# Altium PCB Goldstrike1_Rev01 2014 06 02.PcbDoc (part 5 of 5)
Units mm, origin at the board's own origin, x right, y up, seen from the top; angles counter-clockwise.
Board outline 110 x 255.5 mm, 4 copper layers (L1, L2, L3, L4), stack 1.577 mm thick; 676 components, 193 nets, 4482 pads, 1968 vias.
Unrouted connection lines stored in the file: 1747.
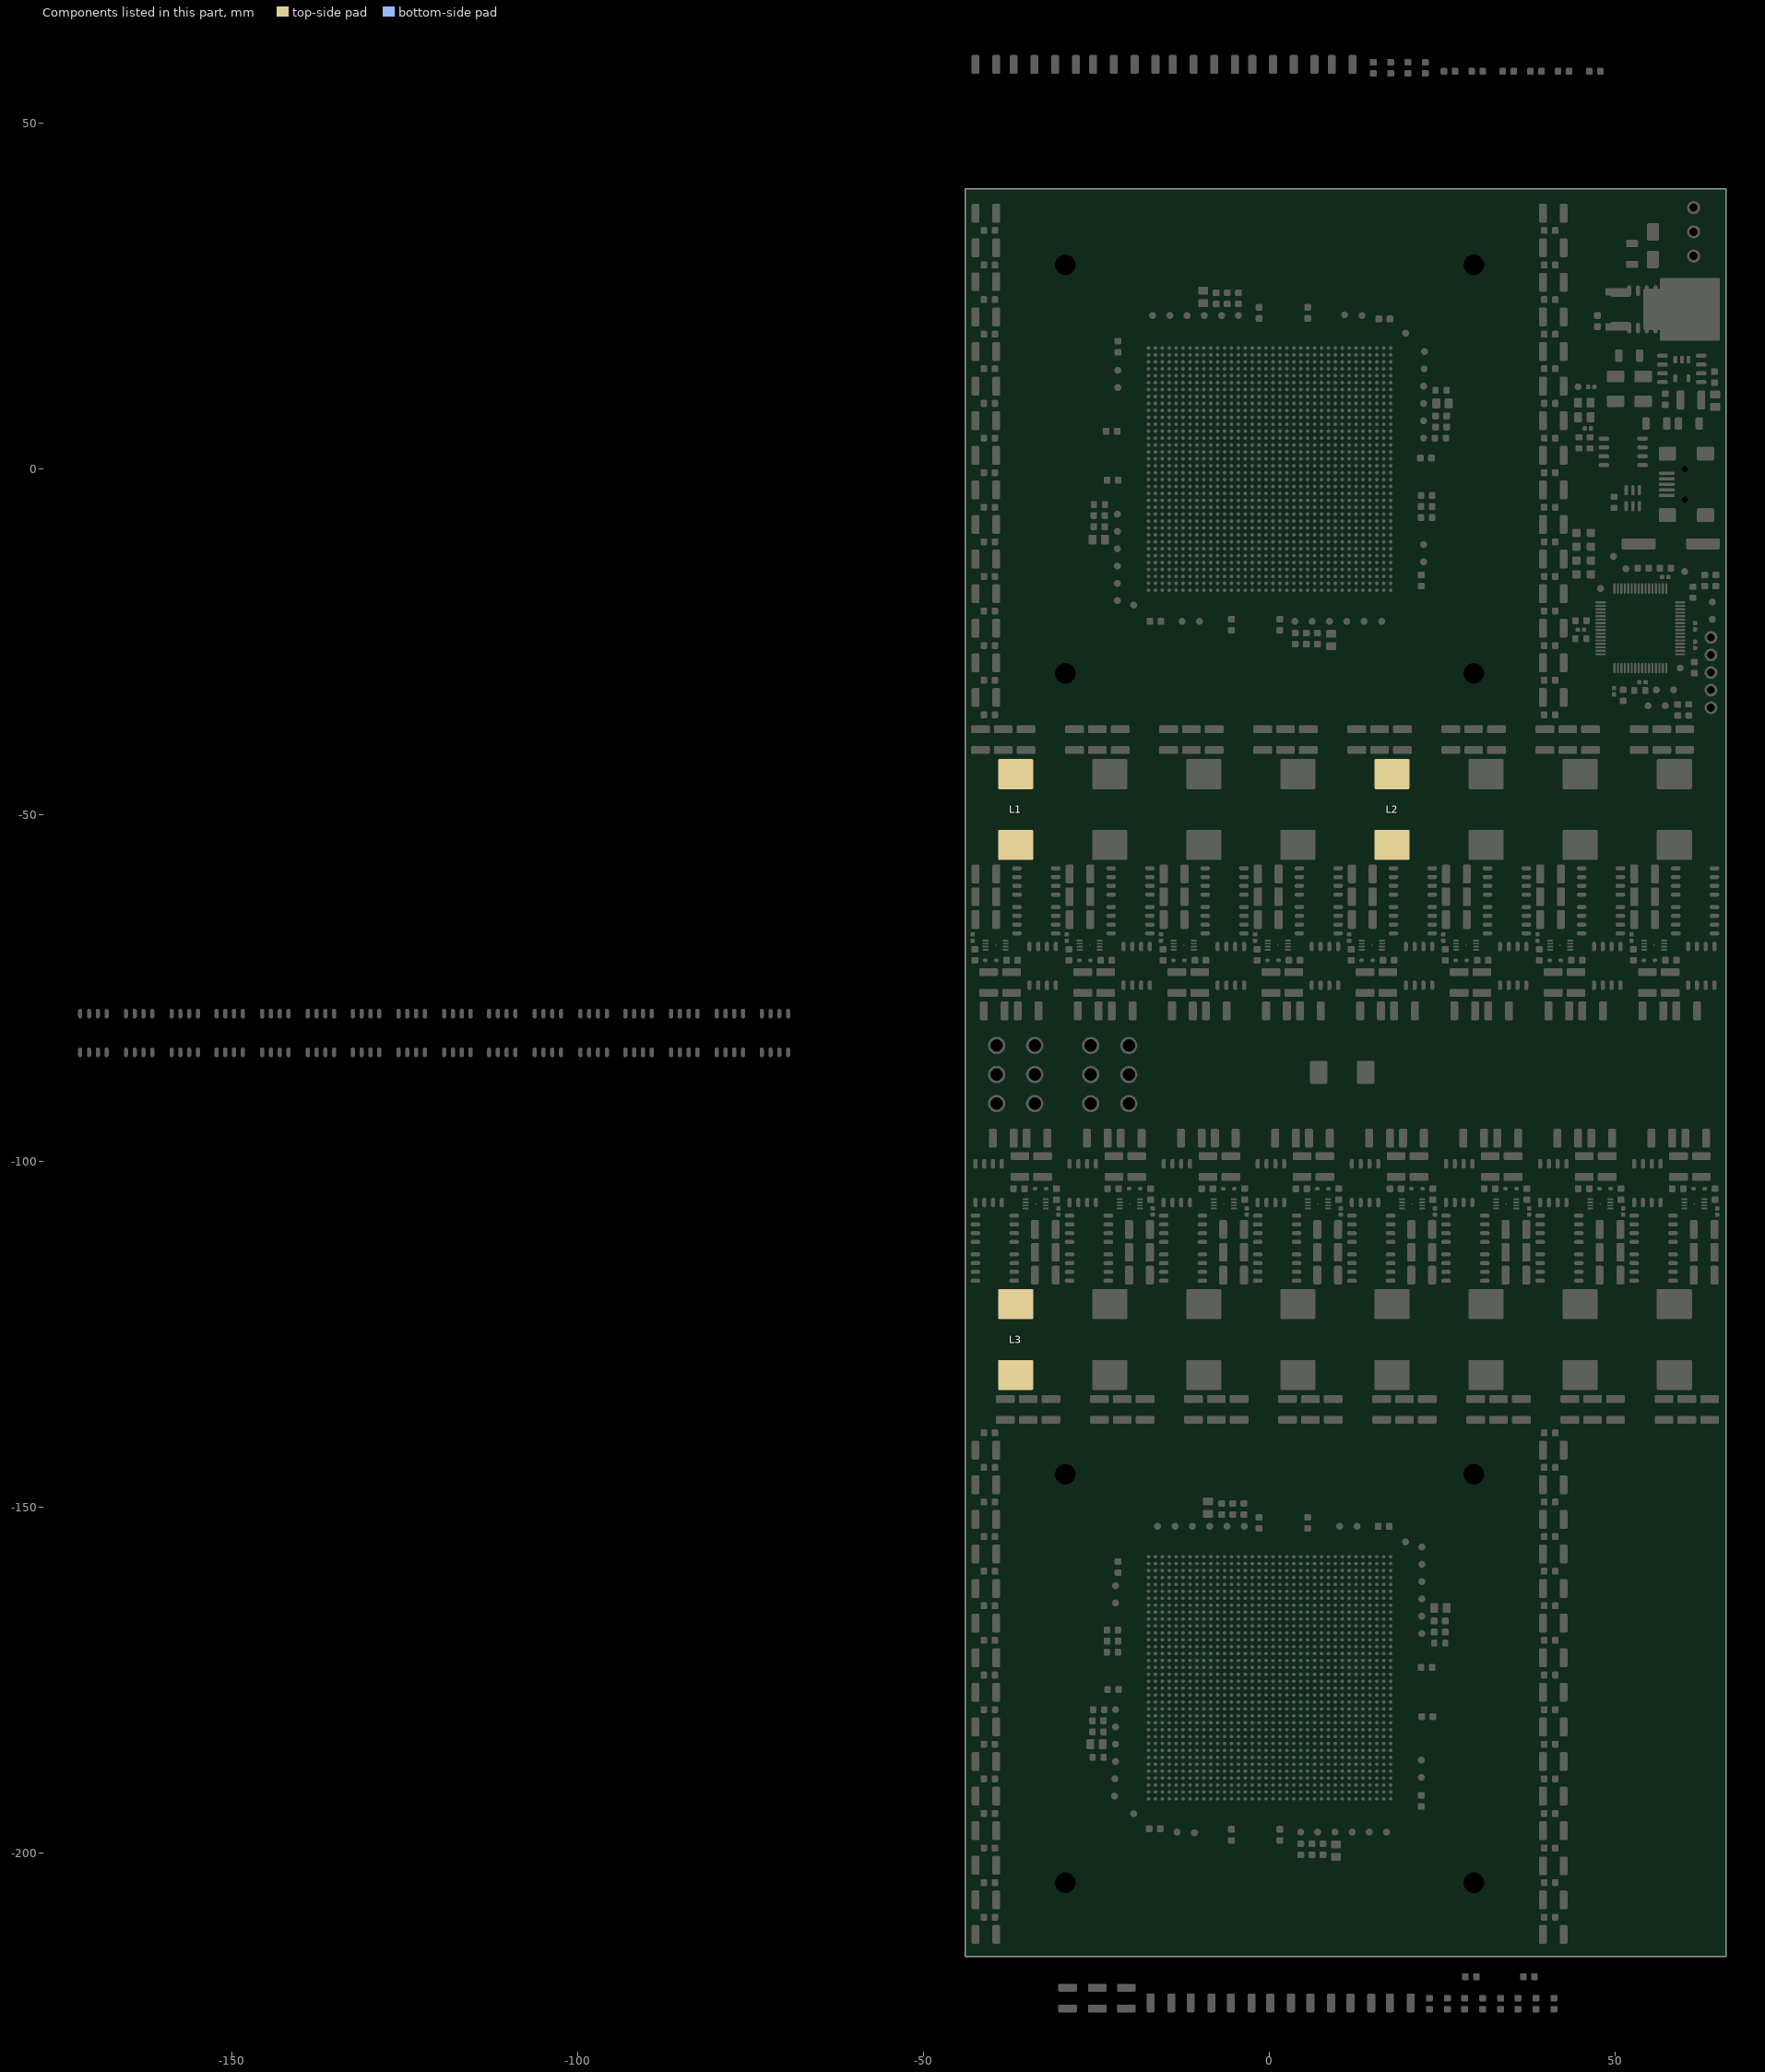
[diagram p7: the components of this part, seen from the top]

## Via types
v1: diameter 0.55/0.55 (per signal layer), hole 0.25, L1 to L4, 1968 vias

## Nets (pads, with @x,y where several pads share a name; then routed paths per layer and width w, separated by ;. In a path a pad name is that pad's centre, name@x,y a point inside that pad or via, vN(x,y) a via of type N, cw(c..) or ccw(c..) an arc to the next point about the centre after c; other vN are vias at no path point) (continued)
pads on no net: HP1.1 HP1.2 HP1.3 HP1.4 HP2.1 HP2.2 HP2.3 HP2.4 J2.4 J2.10 J2.11 U1.A3 U1.A4 U1.A13 U1.A14 U1.A15 U1.A16 U1.A18 U1.A20 U1.A21 U1.A22 U1.A23 U1.A25 U1.A26 U1.A27 U1.A28 U1.A30 U1.A31 U1.A32 U1.A33 U1.AA1 U1.AA2 U1.AA4 U1.AA33 U1.AA34 U1.AA36 U1.AB1 U1.AB2 U1.AB3 U1.AB4 U1.AB33 U1.AB34 U1.AB35 U1.AB36 U1.AC1 U1.AC3 U1.AC4 U1.AC33 U1.AC35 U1.AC36 U1.AD1 U1.AD2 U1.AD3 U1.AD34 U1.AD35 U1.AE2 U1.AE3 U1.AE34 U1.AE36 U1.AF33 U1.AF34 U1.AF36 U1.AG33 U1.AG34 U1.AG35 U1.AG36 U1.AH33 U1.AH35 U1.AH36 U1.AJ33 U1.AJ34 U1.AJ35 U1.AK3 U1.AK4 U1.AK34 U1.AK35 U1.AK36 U1.AL2 U1.AL4 U1.AL33 U1.AL34 U1.AL36 U1.AM2 U1.AM3 U1.AM4 U1.AM19 U1.AM33 U1.AM36 U1.AN1 U1.AN3 U1.AN4 U1.AN5 U1.AN6 U1.AN8 U1.AN9 U1.AN10 U1.AN11 U1.AN14 U1.AN15 U1.AN16 U1.AN20 U1.AN21 U1.AN22 U1.AN23 U1.AN30 U1.AN31 U1.AN32 U1.AN33 U1.AN35 U1.AN36 U1.AP1 U1.AP2 U1.AP3 U1.AP6 U1.AP7 U1.AP8 U1.AP10 U1.AP11 U1.AP12 U1.AP13 U1.AP15 U1.AP16 U1.AP17 U1.AP19 U1.AP20 U1.AP22 U1.AP23 U1.AP24 U1.AP25 U1.AP30 U1.AP32 U1.AP33 U1.AP34 U1.AP35 U1.AR2 U1.AR3 U1.AR4 U1.AR7 U1.AR8 U1.AR9 U1.AR10 U1.AR13 U1.AR14 U1.AR15 U1.AR17 U1.AR18 U1.AR19 U1.AR20 U1.AR21 U1.AR22 U1.AR24 U1.AR25 U1.AR31 U1.AR32 U1.AR34 U1.AR35 U1.AT4 U1.AT5 U1.AT6 U1.AT7 U1.AT9 U1.AT10 U1.AT11 U1.AT12 U1.AT14 U1.AT15 U1.AT16 U1.AT17 U1.AT19 U1.AT21 U1.AT22 U1.AT23 U1.AT24 U1.AT33 U1.AT34 U1.B2 U1.B3 U1.B5 U1.B6 U1.B12 U1.B13 U1.B15 U1.B16 U1.B17 U1.B18 U1.B19 U1.B20 U1.B22 U1.B23 U1.B24 U1.B27 U1.B28 U1.B29 U1.B30 U1.B33 U1.B34 U1.B35 U1.C2 U1.C3 U1.C4 U1.C5 U1.C7 U1.C12 U1.C13 U1.C14 U1.C15 U1.C17 U1.C18 U1.C20 U1.C21 U1.C22 U1.C24 U1.C25 U1.C26 U1.C27 U1.C29 U1.C30 U1.C31 U1.C34 U1.C35 U1.C36 U1.D1 U1.D2 U1.D4 U1.D5 U1.D6 U1.D7 U1.D14 U1.D15 U1.D16 U1.D17 U1.D21 U1.D22 U1.D23 U1.D26 U1.D27 U1.D28 U1.D29 U1.D31 U1.D32 U1.D33 U1.D34 U1.D36 U1.E1 U1.E4 U1.E18 U1.E33 U1.E34 U1.E35 U1.F1 U1.F3 U1.F4 U1.F33 U1.F35 U1.FID1 U1.FID2 U1.G1 U1.G2 U1.G3 U1.G33 U1.G34 U1.H2 U1.H3 U1.H4 U1.J1 U1.J2 U1.J4 U1.K1 U1.K2 U1.K3 U1.K4 U1.L1 U1.L3 U1.L4 U1.M1 U1.M3 U1.M34 U1.M35 U1.N2 U1.N3 U1.N34 U1.N35 U1.N36 U1.P1 U1.P2 U1.P4 U1.P33 U1.P34 U1.P36 U1.R1 U1.R2 U1.R3 U1.R4 U1.R33 U1.R34 U1.R35 U1.R36 U1.T1 U1.T3 U1.T4 U1.T33 U1.T35 U1.T36 U1.U1 U1.U2 U1.U3 U1.U33 U1.U34 U1.U35 U1.V2 U1.V32 U1.V34 U1.V35 U1.V36 U1.W1 U1.W2 U1.W3 U1.W5 U1.W35 U1.Y2 U1.Y3 U1.Y4 U1.Y34 U1.Y35 U1.Y36 U2.A3 U2.A4 U2.A13 U2.A14 U2.A15 U2.A16 U2.A18 U2.A20 U2.A21 U2.A22 U2.A23 U2.A25 U2.A26 U2.A27 U2.A28 U2.A30 U2.A31 U2.A32 U2.A33 U2.AA1 U2.AA2 U2.AA4 U2.AA33 U2.AA34 U2.AA36 U2.AB1 U2.AB2 U2.AB3 U2.AB4 U2.AB33 U2.AB34 U2.AB35 U2.AB36 U2.AC1 U2.AC3 U2.AC4 U2.AC33 U2.AC35 U2.AC36 U2.AD1 U2.AD2 U2.AD3 U2.AD34 U2.AD35 U2.AE2 U2.AE3 U2.AE34 U2.AE36 U2.AF33 U2.AF34 U2.AF36 U2.AG33 U2.AG34 U2.AG35 U2.AG36 U2.AH33 U2.AH35 U2.AH36 U2.AJ33 U2.AJ34 U2.AJ35 U2.AK3 U2.AK4 U2.AK34 U2.AK35 U2.AK36 U2.AL2 U2.AL4 U2.AL33 U2.AL34 U2.AL36 U2.AM2 U2.AM3 U2.AM4 U2.AM19 U2.AM33 U2.AM36 U2.AN1 U2.AN3 U2.AN4 U2.AN5 U2.AN6 U2.AN8 U2.AN9 U2.AN10 U2.AN11 U2.AN14 U2.AN15 U2.AN16 U2.AN20 U2.AN21 U2.AN22 U2.AN23 U2.AN30 U2.AN31 U2.AN32 U2.AN33 U2.AN35 U2.AN36 U2.AP1 U2.AP2 U2.AP3 U2.AP6 U2.AP7 U2.AP8 U2.AP10 U2.AP11 U2.AP12 U2.AP13 U2.AP15 U2.AP16 U2.AP17 U2.AP19 U2.AP20 U2.AP22 U2.AP23 U2.AP24 U2.AP25 U2.AP30 U2.AP32 U2.AP33 U2.AP34 U2.AP35 U2.AR2 U2.AR3 U2.AR4 U2.AR7 U2.AR8 U2.AR9 U2.AR10 U2.AR13 U2.AR14 U2.AR15 U2.AR17 U2.AR18 U2.AR19 U2.AR20 U2.AR21 U2.AR22 U2.AR24 U2.AR25 U2.AR31 U2.AR32 U2.AR34 U2.AR35 U2.AT4 U2.AT5 U2.AT6 U2.AT7 U2.AT9 U2.AT10 U2.AT11 U2.AT12 U2.AT14 U2.AT15 U2.AT16 U2.AT17 U2.AT19 U2.AT21 U2.AT22 U2.AT23 U2.AT24 U2.AT33 U2.AT34 U2.B2 U2.B3 U2.B5 U2.B6 U2.B12 U2.B13 U2.B15 U2.B16 U2.B17 U2.B18 U2.B19 U2.B20 U2.B22 U2.B23 U2.B24 U2.B27 U2.B28 U2.B29 U2.B30 U2.B33 U2.B34 U2.B35 U2.C2 U2.C3 U2.C4 U2.C5 U2.C7 U2.C12 U2.C13 U2.C14 U2.C15 U2.C17 U2.C18 U2.C20 U2.C21 U2.C22 U2.C24 U2.C25 U2.C26 U2.C27 U2.C29 U2.C30 U2.C31 U2.C34 U2.C35 U2.C36 U2.D1 U2.D2 U2.D4 U2.D5 U2.D6 U2.D7 U2.D14 U2.D15 U2.D16 U2.D17 U2.D21 U2.D22 U2.D23 U2.D26 U2.D27 U2.D28 U2.D29 U2.D31 U2.D32 U2.D33 U2.D34 U2.D36 U2.E1 U2.E4 U2.E18 U2.E33 U2.E34 U2.E35 U2.F1 U2.F3 U2.F4 U2.F33 U2.F35 U2.FID1 U2.FID2 U2.G1 U2.G2 U2.G3 U2.G33 U2.G34 U2.H2 U2.H3 U2.H4 U2.J1 U2.J2 U2.J4 U2.K1 U2.K2 U2.K3 U2.K4 U2.L1 U2.L3 U2.L4 U2.M1 U2.M3 U2.M34 U2.M35 U2.N2 U2.N3 U2.N34 U2.N35 U2.N36 U2.P1 U2.P2 U2.P4 U2.P33 U2.P34 U2.P36 U2.R1 U2.R2 U2.R3 U2.R4 U2.R33 U2.R34 U2.R35 U2.R36 U2.T1 U2.T3 U2.T4 U2.T33 U2.T35 U2.T36 U2.U1 U2.U2 U2.U3 U2.U33 U2.U34 U2.U35 U2.V2 U2.V32 U2.V34 U2.V35 U2.V36 U2.W1 U2.W2 U2.W3 U2.W5 U2.W35 U2.Y2 U2.Y3 U2.Y4 U2.Y34 U2.Y35 U2.Y36 U3.65 U3.66 U5.4 U6.2 U6.3 U6.4 U9.3 U9.4

## Polygon pours and split planes (outlines as drawn)
GND on L2 (split plane): 65.898,-214.898 -43.898,-214.898 -43.898,40.398 65.898,40.398
1V on L3 (split plane): 65.898,-214.898 -43.898,-214.898 -43.898,40.398 65.898,40.398

## Keep-outs
Keep-Out Layer:
  the board outline again, w1

## Other copper
L2 (plane layer: these items are gaps in the copper):
  the board outline again, w0.2
L3 (plane layer: these items are gaps in the copper):
  the board outline again, w0.2
Multi-Layer:
  lines w0.05: -64.9,-239.25 -64.9,-239.4 -64.75,-239.4
  lines w0.1: -59.9,-226.9 -54.9,-226.9 130.1,-226.9 ; -59.9,-181.9 -54.9,-181.9 -54.9,-234.4 ; -59.9,-140.862 -54.9,-140.862 ; -59.9,-90.862 -54.9,-90.862 ; -59.9,-40.862 -54.9,-40.862 ; -59.9,9.176 -54.9,9.176 ; -54.9,52.6 -54.9,-234.4 ; -54.65,-234.4 130.1,-234.4 ; 130.1,-181.9 130.1,-234.4 ; -54.9,-234.4 130.1,-234.4 ; -54.9,-234.4 -59.9,-234.4 -59.9,52.6 130.1,52.6 130.1,-234.4 ; -54.9,-234.4 130.1,-234.4 ; -54.9,-234.4 130.1,-234.4
  text "Printed copies of this document are uncontrolled and may NOT be current. All information is strictly CONFIDENTIAL." at -54.25,-229.45 h1.05
  text "IMI Group reserves all rights even in the event of industrial property rights." at 53.85,-229.45 h1.05
  text "We reserve all rights of disposal such as copying and passing on to third parties." at -54.3,-232.9 h1.05

## Silkscreen, mask and mechanical layers (free items; w line width, h text height)
26_Silkscreen Top:
  text "TECHNOBIT" at 43.179,-34.12 h3